# Allegro board RK_TABLET_DEMO1_RK3576_LP4XD200P132SD6_V12_20240530YWQ.brd (continued)
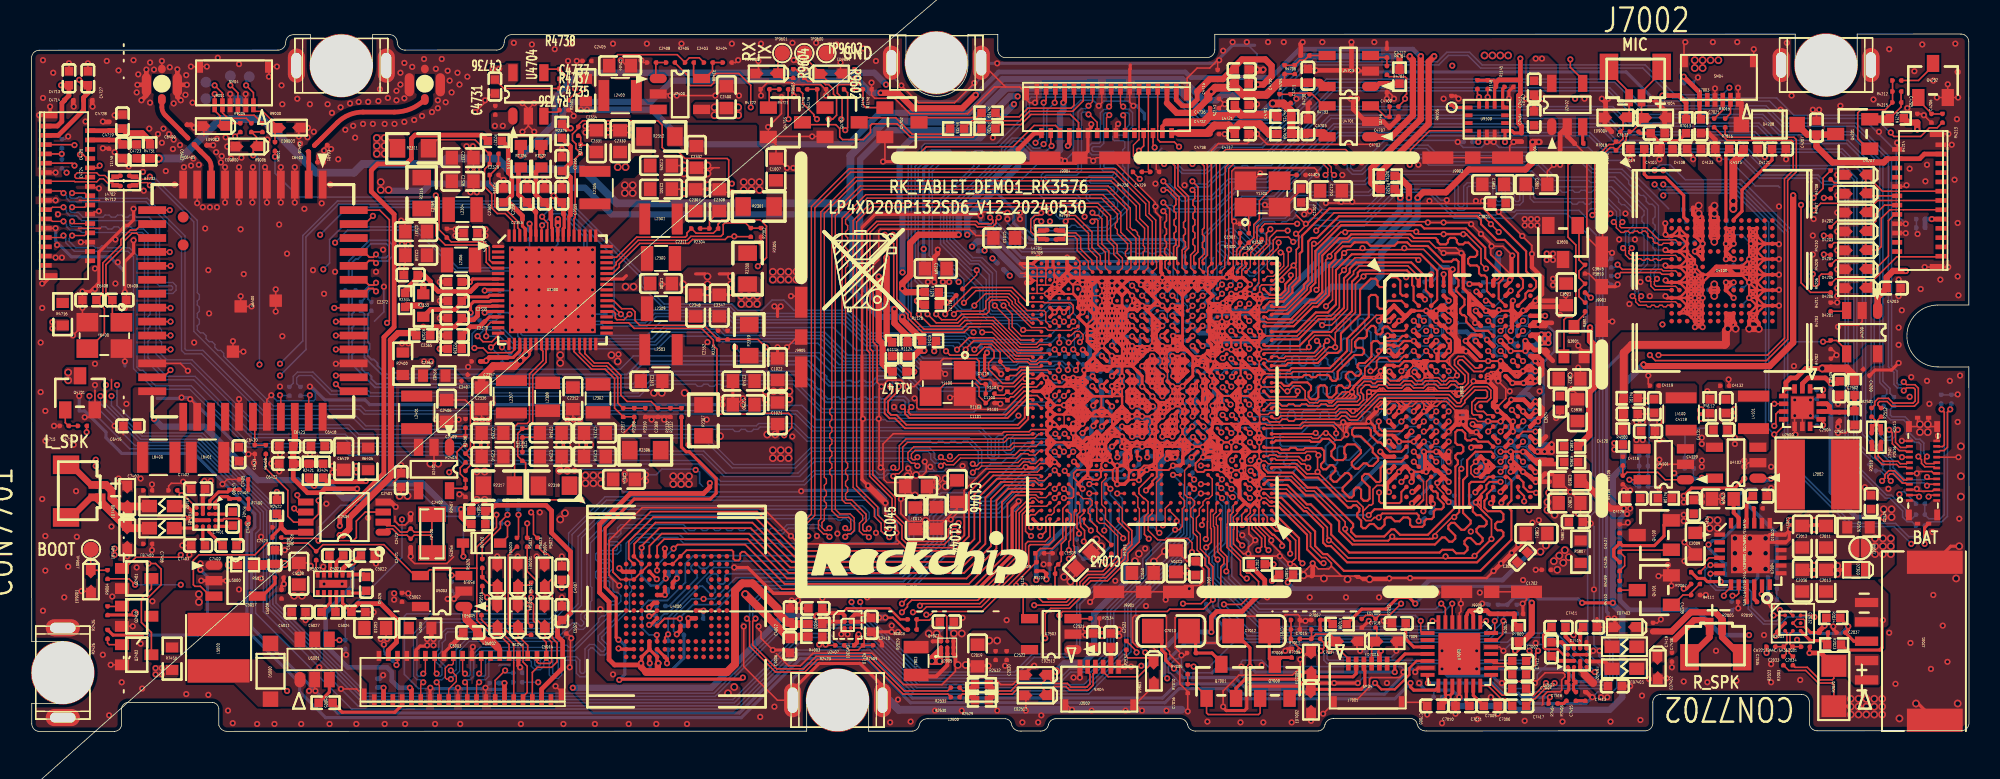
[diagram p0: board, top side]
## Nets
GND: ANT6401.2(G1) ANT6401.3(G2) ANT6401.4(G3) ANT6402.2(G1) ANT6402.3(G2) ANT6402.4(G3) C1000.2 C1001.2 C1002.2 C1003.2 C1004.2 C1005.2 C1007.2 C1009.2 C1010.2 C1011.2 C1013.2 C1015.2 C1016.2 C1017.2 C1018.2 C1021.2 C1022.2 C1023.2 C1024.2 C1026.2 C1027.2 C1028.2 C1030.2 C1032.2 C1033.2 C1034.2 C1035.2 C1037.2 C1038.2 C1039.2 C1040.2 C1041.2 C1042.2 C1043.2 C1044.2 C1045.2 C1046.2 C1100.2 C1101.2 C1102.2 C1103.2 C1104.2 C1105.2 C1106.2 C1107.2 C1108.2 C1109.2 C1110.2 C1111.2 C1116.2 C1117.2 C1118.2 C1119.2 C1120.2 C1200.2 C1201.2 C1202.2 C1203.2 C1204.2 C1206.2 C1207.2 C1208.2 C1209.2 C1210.2 C1214.2 C1215.2 C1216.2 C1217.2 C1300.2 C1301.2 C1302.2 C1304.2 C1305.2 C1307.2 C1308.2 C1309.2 C1310.2 C1311.2 C1400.2 C1402.2 C1404.2 C1405.2 C1406.2 C1408.2 C1503.2 C1504.2 C1506.2 C1507.2 C1509.2 C1510.2 C1700.2 C1701.2 C1800.2 C1801.2 C1802.2 C1901.2 C1903.2 C2008.2 C2009.2 C2011.2 C2012.2 C2013.2 C2015.2 C2017.2 C2019.2 C2020.2 C2036.1 C2037.1 C2040.2 C2300.2 C2301.2 C2307.2 C2308.2 C2309.2 C2312.2 C2313.2 C2315.2 C2316.2 C2324.2 C2325.2 C2327.2 C2328.2 C2330.2 C2331.2 C2332.2 C2335.2 C2336.2 C2337.2 C2338.2 C2339.2 C2340.2 C2344.2 C2345.2 C2346.2 C2347.2 C2348.2 C2349.2 C2350.2 C2353.2 C2354.2 C2355.2 C2356.2 C2357.2 C2358.2 C2359.2 C2360.2 C2362.2 C2363.2 C2364.2 C2365.2 C2366.2 C2367.2 C2368.2 C2369.2 C2370.2 C2371.2 C2372.2 C2400.2 C2401.2 C2404.2 C2405.2 C2406.2 C2407.2 C2408.2 C2409.2 C2410.2 C2412.2 C2413.2 C2414.2 C2421.1 C2422.1 C2423.2 C2502.2 C2503.2 C2504.2 C2505.2 C2506.2 C2507.2 C2521.2 C2522.2 C2523.2 C2524.2 C3800.2 C3801.2 C3802.2 C3803.2 C3804.2 C3805.2 C3806.2 C3807.2 C3808.2 C3809.2 C3810.2 C3811.2 C3812.2 C3813.2 C3814.2 C3815.2 C3816.2 C3817.2 C3818.2 C3819.2 C3820.2 C3821.2 C3822.2 C3823.2 C3824.2 C3825.2 C3826.2 C3827.2 C3828.2 C3829.2 C3830.2 C3831.2 C3832.2 C3833.2 C3834.2 C3835.2 C3836.2 C3837.2 C3838.2 C3839.2 C3840.2 C3841.2 C3842.2 C3843.2 C3844.2 C3845.2 C4000.2 C4001.2 C4002.2 C4003.2 C4004.2 C4005.2 C4006.2 C4007.2 C4100.2 C4101.2 C4102.2 C4103.2 C4105.2 C4106.2 C4107.2 C4108.2 C4109.2 C4110.2 C4112.2 C4113.2 C4114.2 C4115.2 C4116.2 C4118.2 C4119.2 C4120.2 C4121.2 C4122.2 C4123.2 C4124.2 C4126.2 C4127.2 C4128.2 C4129.2 C4131.2 C4132.2 C4200.2 C4201.2 C4203.2 C4204.2 C4206.2 C4207.2 C4702.2 C4703.2 C4707.2 C4709.2 C4711.2 C4712.2 C4713.2 C4714.2 C4715.2 C4716.2 C4717.2 C4718.2 C4719.2 C4720.2 C4721.2 C4722.2 C4723.2 C4724.2 C4725.2 C4726.2 C4727.2 C4728.2 C4729.2 C4730.2 C4731.2 C4735.2 C4736.2 C5002.2 C5003.2 C5008.2 C5009.2 C5010.2 C5011.2 C5014.2 C5015.2 C5017.2 C5018.2 C5019.2 C5020.2 C5021.2 C5022.2 C5024.2 C6400.1 C6401.2 C6405.1 C6408.2 C6409.2 C6410.2 C6415.2 C6418.2 C6419.2 C6420.2 C6421.2 C6422.2 C6423.2 C7000.2 C7001.2 C7003.2 C7007.2 C7008.2 C7009.2 C7010.2 C7011.2 C7015.2 C7016.2 C7017.2 C7018.2 C7019.2 C7021.2 C7022.2 C7402.2 C7403.2 C7404.1 C7407.2 C7408.2 C7413.2 C7414.2 C7415.1 C7418.2 C7419.2 C9103.2 C9104.2 C9105.2 D2300.2(ANODE) D4201.2 D4202.2 D4203.2 D4204.2 D4205.2 D4206.2 D4207.2 D4208.1(A) D9803.2 ED2512.2 ED2513.2 ED5000.2 ED5001.2 ED5002.2 ED5003.2 ED5004.2 ED5005.2 ED7000.2 ED7001.2 ED7002.2 ED7003.2 ED7004.2 ED7400.2 ED7401.2 ED7402.2 ED7403.2 ED9000.2 ED9001.2 ED9002.2 ED9003.2 ED9004.2 ED9600.2 ED9601.2 J2001.6 J2001.7 J2501.3 J2501.6 J2501.9 J2501.12 J2501.13 J2501.16 J2501.19 J2501.22 J2501.29 J2501.30 J2501.31 J2501.32 J2502.1 J2502.6 J2502.7 J2502.8 J4201.6(GND) J4201.8(GND1) J4201.16(GND2) J4201.24(GND3) J4201.25(GND4) J4201.26(GND5) J4201.27(GND6) J4701.11(GND) J4701.14(GND1) J4701.17(GND2) J4701.20(GND3) J4701.31(GND4) J4701.32(GND6) J4701.33(GND5) J4702.11(GND) J4702.14(GND1) J4702.17(GND2) J4702.20(GND3) J4702.23(GND4) J4702.26(GND5) J4702.32(GND7) J4702.33(GND6) J5000.10(GND) J5000.13(GND1) J5000.16(GND2) J5000.19(GND3) J5000.22(GND4) J5000.25(GND5) J5000.32(GND6) J5000.40(GND7) J5000.41(GND8) J7001.7 J7001.8 J7003.1 J7003.4 J7003.7 J7003.8 J9001.2 J9001.4 J9001.7 J9001.8 J9900.1 J9900.2 J9900.3 J9901.1 J9901.2 J9901.3 J9902.1 J9902.2 J9902.3 J9903.1 J9903.2 J9903.3 J9904.1 J9904.2 J9904.3 J9905.1 J9905.2 J9905.3 J9911.2 J9911.3 J9912.2 J9912.3 J9913.2 J9913.3 J9914.2 J9914.3 J9915.2 J9915.3 Q2400.2(SOURCE) Q2401.2(SOURCE) Q2402.2(SOURCE) Q3801.2(SOURCE) Q4101.2(EMITTER) Q4202.2(EMITTER) Q4701.2(EMITTER) Q4702.2(EMITTER) Q4703.2(EMITTER) Q4704.2(EMITTER) R1103.2 R1203.2 R1301.2 R1400.2 R1401.2 R1402.2 R2004.1 R2005.1 R2006.2 R2010.2 R2011.2 R2020.1 R2022.1 R2305.2 R2310.2 R2315.2 R2332.2 R2407.2 R2408.2 R2410.2 R2414.2 R2503.2 R2504.2 R2517.2 R2534.2 R4005.2 R4106.2 R4107.2 R4114.2 R4116.2 R4202.2 R4203.2 R4214.2 R4706.2 R4715.2 R4718.2 R4722.2 R4725.2 R4733.2 R4738.2 R5001.2 R5004.2 R5006.2 R5015.2 R7004.2 R7005.2 R7006.2 R7011.2 R7018.2 R7402.2 R9105.2 R9601.2 R9604.2 TP9003.1 TP9602.1 U1000.1A2(VSS_7) U1000.1A3(VSS_8) U1000.1AA2(VSS_91) U1000.1AA4(VSS_92) U1000.1AA21(VSS_93) U1000.1AA24(VSS_94) U1000.1AB2(VSS_95) U1000.1AB5(VSS_96) U1000.1AB6(VSS_97) U1000.1AB20(AVSS_10) U1000.1AB21(AVSS_11) U1000.1AB22(AVSS_12) U1000.1AB23(AVSS_13) U1000.1AB24(AVSS_14) U1000.1AC1(VSS_98) U1000.1AC2(VSS_99) U1000.1AC3(VSS_100) U1000.1AC4(VSS_101) U1000.1AC5(VSS_102) U1000.1AC20(AVSS_15) U1000.1AC21(AVSS_16) U1000.1AC24(AVSS_17) U1000.1AD3(VSS_103) U1000.1AD20(AVSS_18) U1000.1AD23(AVSS_19) U1000.1AD24(AVSS_20) U1000.1AE3(VSS_104) U1000.1AE4(AVSS_21) U1000.1AE6(AVSS_22) U1000.1AE20(AVSS_23) U1000.1AE21(AVSS_24) U1000.1AE23(AVSS_25) U1000.1B2(VSS_9) U1000.1C2(VSS_10) U1000.1C4(VSS_11) U1000.1C9(VSS_12) U1000.1C13(VSS_13) U1000.1C16(VSS_14) U1000.1C21(VSS_15) U1000.1D1(VSS_16) U1000.1D3(VSS_17) U1000.1D5(VSS_18) U1000.1E2(VSS_19) U1000.1E3(VSS_20) U1000.1E5(VSS_21) U1000.1E6(VSS_22) U1000.1E10(VSS_23) U1000.1E13(VSS_24) U1000.1E16(VSS_25) U1000.1E23(VSS_26) U1000.1E24(VSS_27) U1000.1F3(VSS_28) U1000.1F5(VSS_29) U1000.1F6(VSS_30) U1000.1F20(VSS_31) U1000.1F21(VSS_32) U1000.1F24(VSS_33) U1000.1G3(VSS_34) U1000.1G6(VSS_35) U1000.1G20(VSS_36) U1000.1G21(VSS_37) U1000.1G22(VSS_38) U1000.1G24(VSS_39) U1000.1H1(VSS_40) U1000.1H2(VSS_41) U1000.1H3(VSS_42) U1000.1H4(VSS_43) U1000.1H6(VSS_44) U1000.1H20(VSS_45) U1000.1H21(AVSS1_3) U1000.1H24(AVSS1_4) U1000.1J2(VSS_46) U1000.1J4(VSS_47) U1000.1J21(AVSS1_5) U1000.1J22(AVSS1_6) U1000.1J23(AVSS1_7) U1000.1J24(AVSS1_8) U1000.1K3(VSS_48) U1000.1K6(VSS_49) U1000.1K20(AVSS1_9) U1000.1K21(AVSS1_10) U1000.1K24(AVSS1_11) U1000.1L2(VSS_50) U1000.1L3(VSS_51) U1000.1L4(VSS_52) U1000.1L5(VSS_53) U1000.1L6(VSS_54) U1000.1L20(AVSS1_12) U1000.1L21(AVSS1_13) U1000.1L22(AVSS1_14) U1000.1L24(AVSS1_15) U1000.1M1(VSS_55) U1000.1M2(VSS_56) U1000.1M4(VSS_57) U1000.1M6(VSS_58) U1000.1M20(AVSS1_16) U1000.1M21(AVSS1_17) U1000.1M22(AVSS1_18) U1000.1M24(AVSS1_19) U1000.1N2(VSS_59) U1000.1N4(VSS_60) U1000.1N6(VSS_61) U1000.1N20(AVSS1_20) U1000.1N21(AVSS1_21) U1000.1N24(AVSS1_22) U1000.1P2(VSS_62) U1000.1P3(VSS_63) U1000.1P4(VSS_64) U1000.1P6(VSS_65) U1000.1P20(VSS_66) U1000.1P21(VSS_67) U1000.1P22(VSS_68) U1000.1P24(VSS_69) U1000.1R1(VSS_70) U1000.1R2(VSS_71) U1000.1T3(VSS_72) U1000.1T5(VSS_73) U1000.1T6(VSS_74) U1000.1T20(VSS_75) U1000.1U2(VSS_76) U1000.1U3(VSS_77) U1000.1U4(VSS_78) U1000.1U6(VSS_79) U1000.1V2(VSS_80) U1000.1V6(VSS_81) U1000.1W1(VSS_82) U1000.1W3(VSS_83) U1000.1W5(VSS_84) U1000.1W6(VSS_85) U1000.1W20(MIPI_DPHY_CSI1/2_RX_AVDD1V8) U1000.1Y2(VSS_86) U1000.1Y3(VSS_87) U1000.1Y4(VSS_88) U1000.1Y5(VSS_89) U1000.1Y6(VSS_90) U1000.1Y20(AVSS_9) U1000.2A1(VSS_105) U1000.2A3(VSS_106) U1000.2A6(VSS_107) U1000.2A9(VSS_108) U1000.2A11(VSS_109) U1000.2A12(VSS_110) U1000.2B1(VSS_111) U1000.2B3(VSS_112) U1000.2B4(VSS_113) U1000.2B5(VSS_114) U1000.2B6(VSS_115) U1000.2B7(VSS_116) U1000.2B8(VSS_117) U1000.2B9(VSS_118) U1000.2B11(VSS_119) U1000.2B12(VSS_120) U1000.2C1(VSS_121) U1000.2C6(VSS_122) U1000.2C10(VSS_123) U1000.2C11(VSS_124) U1000.2C12(VSS_125) U1000.2D3(VSS_126) U1000.2D6(VSS_127) U1000.2D9(VSS_128) U1000.2D10(AVSS1_23) U1000.2E3(VSS_129) U1000.2E5(VSS_130) U1000.2E6(VSS_131) U1000.2E8(VSS_132) U1000.2E9(VSS_133) U1000.2E10(AVSS1_24) U1000.2E11(PCIE1_SATA1_USB3_OTG1_AVDD0V85) U1000.2E12(PCIE1_SATA1_USB3_OTG1_AVDD1V8) U1000.2F4(VSS_134) U1000.2F5(VSS_135) U1000.2F6(VSS_136) U1000.2G4(VSS_137) U1000.2G7(VSS_138) U1000.2G10(VSS_139) U1000.2G12(PLL_AVSS) U1000.2H3(VSS_140) U1000.2H5(VSS_141) U1000.2H10(TVSS) U1000.2J1(VSS_142) U1000.2J5(VSS_143) U1000.2J8(VSS_144) U1000.2J11(VSS_145) U1000.2J12(VSS_146) U1000.2K1(VSS_147) U1000.2K2(VSS_148) U1000.2K5(VSS_149) U1000.2K8(VSS_150) U1000.2K9(VSS_151) U1000.2K10(VSS_152) U1000.2K12(VSS_153) U1000.2L1(VSS_154) U1000.2L3(VSS_155) U1000.2L4(VSS_156) U1000.2L5(VSS_157) U1000.2L6(VSS_158) U1000.2L7(VSS_159) U1000.2L8(VSS_160) U1000.2L9(VSS_161) U1000.2L11(MIPI_DPHY_CSI1/2_RX_AVDD0V75) U1000.2L12(VSS_162) U1000.2M1(AVSS_26) U1000.2M4(AVSS_27) U1000.2M6(AVSS_28) U1000.2M9(AVSS_29) U1000.2M10(AVSS_30) U1000.2M11(AVSS_31) U1000.2M12(AVSS_32) U1000.2N1(AVSS_33) U1000.2N6(AVSS_34) U1000.2N8(AVSS_35) U1000.2N9(AVSS_36) U1000.2N10(HDMI_TX_EDP_TX_AVDDIO1V8) U1000.2N11(HDMI_TX_EDP_TX_AVDDD0V75) U1000.2N12(AVSS_37) U1000.2P1(AVSS_38) U1000.2P6(AVSS_39) U1000.2P9(AVSS_40) U1000.2P10(HDMI_TX_EDP_TX_AVDDCMN1V8) U1000.2P11(HDMI_TX_EDP_TX_AVDDC0V75) U1000.2P12(AVSS_41) U1000.2R1(AVSS_42) U1000.2R4(AVSS_43) U1000.2R5(AVSS_44) U1000.2R7(AVSS_45) U1000.2R8(AVSS_46) U1000.2R9(AVSS_47) U1000.2R10(AVSS_48) U1000.2R11(AVSS_49) U1000.2R12(AVSS_50) U1000.2T1(AVSS_51) U1000.2T6(AVSS_52) U1000.2T8(AVSS_53) U1000.2T11(AVSS_54) U1000.2U1(AVSS_55) U1000.2U2(AVSS_56) U1000.2U3(AVSS_57) U1000.2U4(AVSS_58) U1000.2U5(AVSS_59) U1000.2U6(AVSS_60) U1000.2U7(AVSS_61) U1000.2U9(AVSS_62) U1000.2U10(AVSS_63) U1000.2U11(AVSS_64) U1000.2V1(AVSS_65) U1000.2V2(AVSS_66) U1000.2V3(AVSS_67) U1000.2V4(AVSS_68) U1000.2V5(AVSS_69) U1000.2V6(AVSS_70) U1000.2V7(AVSS_71) U1000.2V8(AVSS_72) U1000.2V9(AVSS_73) U1000.2V10(AVSS_74) U1000.2V11(AVSS_75) U1000.2V12(AVSS_76) U1000.A1(VSS_0) U1000.A4(VSS_1) U1000.A29(VSS_2) U1000.AJ29(AVSS_0) U1000.AK6(AVSS_1) U1000.AK14(AVSS_2) U1000.AK25(AVSS_3) U1000.AL1(VSS_6) U1000.AL4(AVSS_4) U1000.AL8(AVSS_5) U1000.AL14(AVSS_6) U1000.AL25(AVSS_7) U1000.AL29(AVSS_8) U1000.B5(VSS_3) U1000.C1(VSS_4) U1000.G29(AVSS1_0) U1000.T28(AVSS1_1) U1000.T29(AVSS1_2) U1000.V28(VSS_5) U2004.17(PGND1) U2004.18(PGND2) U2004.25(PAD) U2005.C1(PGND) U2005.C2(PGND1) U2005.C3(AGND) U2300.69(EPAD) U2400.2(GND) U2401.2(GND) U2402.2(GND) U2404.4(VSS) U2407.B1(GND) U2500.8(GND_8) U2500.9(GND_9) U2500.15(EPAD) U2503.2(GND) U3800.A3(VSS_1) U3800.A10(VSS_2) U3800.AB3(VSS_55) U3800.AB5(VSS_56) U3800.AB8(VSS_57) U3800.AB10(VSS_58) U3800.C1(VSS_3) U3800.C5(VSS_4) U3800.C8(VSS_5) U3800.C12(VSS_6) U3800.D2(VSS_7) U3800.D4(VSS_8) U3800.D9(VSS_9) U3800.D11(VSS_10) U3800.E1(VSS_11) U3800.E5(VSS_12) U3800.E8(VSS_13) U3800.E12(VSS_14) U3800.G1(VSS_15) U3800.G3(VSS_16) U3800.G5(VSS_17) U3800.G8(VSS_18) U3800.G10(VSS_19) U3800.G12(VSS_20) U3800.J1(VSS_21) U3800.J3(VSS_22) U3800.J10(VSS_23) U3800.J12(VSS_24) U3800.K2(VSS_25) U3800.K4(VSS_26) U3800.K9(VSS_27) U3800.K11(VSS_28) U3800.N2(VSS_29) U3800.N4(VSS_30) U3800.N9(VSS_31) U3800.N11(VSS_32) U3800.P1(VSS_33) U3800.P3(VSS_34) U3800.P10(VSS_35) U3800.P12(VSS_36) U3800.T1(VSS_37) U3800.T3(VSS_38) U3800.T5(VSS_39) U3800.T8(VSS_40) U3800.T10(VSS_41) U3800.T12(VSS_42) U3800.V1(VSS_43) U3800.V5(VSS_44) U3800.V8(VSS_45) U3800.V12(VSS_46) U3800.W2(VSS_47) U3800.W4(VSS_48) U3800.W9(VSS_49) U3800.W11(VSS_50) U3800.Y1(VSS_51) U3800.Y5(VSS_52) U3800.Y8(VSS_53) U3800.Y12(VSS_54) U4000.A6(VSS2) U4000.C4(VSS3) U4000.E7(VSS4) U4000.G5(VSS5) U4000.H10(VSS6) U4000.J5(VSS1) U4000.K8(VSSQ1) U4000.N2(VSSQ2) U4000.N5(VSSQ3) U4000.P4(VSSQ4) U4000.P6(VSSQ5) U4100.B2(VSS_1) U4100.B11(VSS_2) U4100.B12(VSS_3) U4100.C1(VSS_4) U4100.C2(VSS_5) U4100.C3(VSS_6) U4100.C11(VSS_7) U4100.C12(VSS_8) U4100.D3(VSS_9) U4100.D12(VSS_10) U4100.D13(VSS_11) U4100.D14(VSS_12) U4100.E1(VSS_13) U4100.E2(VSS_14) U4100.E3(VSS_15) U4100.E12(VSS_16) U4100.F3(VSS_17) U4100.F12(VSS_18) U4100.F13(VSS_19) U4100.F14(VSS_20) U4100.G1(VSS_21) U4100.G2(VSS_22) U4100.G3(VSS_23) U4100.G10(VSS_24) U4100.G12(VSS_25) U4100.H3(VSS_26) U4100.H5(VSS_27) U4100.H10(VSS_28) U4100.H12(VSS_29) U4100.H13(VSS_30) U4100.H14(VSS_31) U4100.J1(VSS_32) U4100.J2(VSS_33) U4100.J3(VSS_34) U4100.J5(VSS_35) U4100.J12(VSS_36) U4100.K3(VSS_37) U4100.K5(VSS_38) U4100.K12(VSS_39) U4100.K13(VSS_40) U4100.K14(VSS_41) U4100.L1(VSS_42) U4100.L2(VSS_43) U4100.L3(VSS_44) U4100.L12(VSS_45) U4100.M3(VSS_46) U4100.M4(VSS_47) U4100.M5(VSS_48) U4100.M12(VSS_49) U4100.M13(VSS_50) U4100.M14(VSS_51) U4100.N2(VSS_52) U4100.N3(VSS_53) U4100.N4(VSS_54) U4100.N5(VSS_55) U4100.N11(VSS_56) U4100.N12(VSS_57) U4100.P4(VSS_58) U4100.P5(VSS_59) U4100.P11(VSS_60) U4100.P12(VSS_61) U4101.2(GND) U4102.2(GND) U4200.2(GND) U4701.2(GND) U4703.2(GND) U4704.2(GND) U5000.2(GND) U5001.2(GND) U5002.5(GND1) U5002.13(GND2) U5003.2(GND) U6400.1(GND_1) U6400.3(GND_3) U6400.4(GND_4) U6400.5(GND_5) U6400.6(GND_6) U6400.7(GND_7) U6400.8(GND_8) U6400.10(GND_10) U6400.11(GND_11) U6400.23(GND_23) U6400.27(GND_27) U6400.30(GND_30) U6400.32(GND_32) U6400.39(GND_39) U6400.53(GND_53) U6400.54(GND_54) U6400.55(GND_55) U7000.4(DGND) U7000.13(HPGND) U7000.18(AGND) U7000.26(CE) U7000.29(EPAD) U7400.C2(GND_1) U7400.C4(GND_2) U7402.C2(GND_1) U7402.C4(GND_2) U9100.6(GND0) U9100.7(RESV) Y1100.2(GND#2) Y1100.4(GND#4) Y1300.2(GND#2) Y1300.4(GND#4) Y6400.2(GND#2) Y6400.4(GND#4)
VBAT_N: C2032.2 C2034.2 C2035.1 J2001.1 J2001.2 R2003.1 R2020.2 R2024.1 U2003.B2(VSS)
VBAT_P: C2013.1 C2036.2 C4206.1 J2001.4 J2001.5 R2023.1 R4216.1 U2004.13(BAT1) U2004.14(BAT2)
VBUS_TYPEC: C2009.1 C2502.1 C2524.1 J2501.1 J2501.24 J2501.25 J2501.26 J2501.27 J2501.28 R2330.1 U2004.1(VBUS) U2500.2(VBUS)
VCC1V2_UFS_VCCQ_S0: C4100.1 C4101.1 C4102.1 C4103.1 R4112.2 U4100.A4(VCCQ_1) U4100.A5(VCCQ_2) U4100.B4(VCCQ_3) U4100.B5(VCCQ_4) U4100.C4(VCCQ_5) U4100.C5(VCCQ_6) U4100.E5(VCCQ_7) U4100.F5(VCCQ_8)
VCC1V8_EMMC_S0: C1308.1 C4000.1 C4001.1 C4002.1 R4000.1 R4001.1 R4002.1 R4006.1 U1000.1J20(VCCIO0_VCC1V8) U4000.C6(VCCQ1) U4000.M4(VCCQ2) U4000.N4(VCCQ3) U4000.P3(VCCQ4) U4000.P5(VCCQ5)
VCC1V8_LCD: C5018.1 C5019.1 C5020.1 J5000.3(LCD_VDD1V8) J5000.29(VCCIO_1V8) R5013.2 U5000.5(FB/OUT)
VCC1V8_UFS_VCCQ2_S0: C4105.1 C4106.1 C4107.1 C4108.1 R4108.2 U4100.A6(VCCQ2_1) U4100.A7(VCCQ2_2) U4100.B6(VCCQ2_3) U4100.B7(VCCQ2_4) U4100.C6(VCCQ2_5) U4100.C7(VCCQ2_6) U4100.K6(VCCQ2_7) U4100.K7(VCCQ2_8)
VCC1V8_UFS_VCCQ2_S0_P: C4126.1 C4127.1 Q4100.3(DRAIN) R4108.1
VCC3V3_EMMC_S0: C4004.1 C4005.1 C4006.1 R4003.1 U4000.E6(VCC1) U4000.F5(VCC2) U4000.J10(VCC3) U4000.K9(VCC4)
VCC3V3_LCD: C5003.1 J5000.28(VDD_3V3) U5003.1(VOUT)
VCC3V3_PCIEWL_VBAT: C6418.1 C6419.1 R6405.2 U6400.36(VBAT)
VCC3V3_SD_S0: C4201.1 C4203.1 C4204.1 J4201.9(VCC_SD) U4200.1(VOUT)
VCC5V0_USB3_HOST1: C2521.1 C2523.1 J2502.5 U2503.1(VOUT)
VCC_1V1_NLDO_S3: C2364.1 C2371.1 R2400.2 R2402.2 U2300.9(VCC14) U2300.13(VCC13)
VCC_1V1_NLDO_S3_P: C2402.1 C2406.1 C2407.1 L2401.2 R2402.1 R2403.1
VCC_1V2_CAM: C4710.1 C4711.1 C4725.1 C4726.1 C4727.1 C4728.1 J4701.3(DVDD_1.2V) J4702.3(DVDD_1.2V) R4705.1 U4703.5(OUT)
VCC_1V8_CAM: C4713.1 C4714.1 C4715.1 C4716.1 C4736.1 C4737.1 J4701.1(DOVDD_1.8V) J4702.1(DOVDD_1.8V) R4737.1 U4704.5(OUT)
VCC_1V8_S3: C2410.1 C3820.1 C4124.1 C4125.1 C9104.1 C9105.1 J4701.25(VDD_HALL) Q4100.2(SOURCE) R1125.2 R1138.1 R1139.1 R1141.2 R1145.1 R1146.1 R2029.1 R2316.1 R2421.1 R3806.2 R4109.1 R5025.1 U2407.A2(IN) U9100.5(AVDDIO) U9100.8(VDD) U9100.12(CS)
VCC_1V8_S3_P: C2337.1 C2338.1 L2306.1 R2316.2 U2300.5(VOUT8)
VCC_2V0_PLDO_P: C2403.1 C2404.1 C2405.1 L2400.2 R2401.1 R2404.1
VCC_2V0_PLDO_S3: C2354.1 R2400.1 R2401.2 R4703.1 U2300.59(VCC11)
VCC_2V8_AF: C4721.1 C4722.1 J4701.4(AFVDD) R4713.2
VCC_2V8_AF3: C4723.1 C4724.1 J4702.4(AFVDD) R4732.2
VCC_2V8_CAM: C4717.1 C4718.1 J4701.2(AVDD_2.8V) R4709.2
VCC_2V8_CAM3: C4719.1 C4720.1 J4702.2(AVDD_2.8V) R4731.2
VCC_2V8_CAM_P: C4701.1 C4703.1 R4709.1 R4713.1 R4730.1 R4731.1 R4732.1 U4701.5(OUT)
VCC_3V3_S0: C1802.1 C2414.1 J4701.30(VDD_SENSOR) R1412.2 R1802.1 R1803.1 R2423.1 R2514.2 R4003.2 R4100.1 R4105.1 R4115.1 U1000.2N3(VCCIO6_VCC) U2402.1(VOUT)
VCC_3V3_S3: C2413.1 C2505.1 C4200.1 C4702.1 C4731.1 C5002.1 J4701.24(VCC_LED+) R2317.2 R2426.2 R2501.1 R4716.1 R5024.1 R6405.1 U2402.5(IN) U2500.3(VDD_3) U2500.4(VDD_4) U4200.5(IN) U4701.1(IN) U4704.1(IN) U5000.1(IN) U5003.5(IN)
VCC_3V3_S3_P: C2339.1 C2340.1 L2307.2 R2317.1 U2300.24(VOUT4)
VCC_5V0: C2019.1 C2020.1 C2522.1 U2005.A1(VOUT) U2005.A2(VOUT1) U2503.5(IN)
VCC_RTC: C2423.1 R2422.1 R2428.1 U2404.8(VDD)
VCC_SPK_AMP: C7402.1 C7413.1 R7450.2 U7400.A3(VDD_1) U7400.B3(VDD_2) U7402.A3(VDD_1) U7402.B3(VDD_2)
VCC_SPK_CP_L: C7403.1 U7400.D3(PVDD)
VCC_SPK_CP_R: C7414.1 U7402.D3(PVDD)
VCC_SYSIN: C2015.1 C2040.1 C2300.1 C2301.1 C2312.1 C2313.1 C2324.1 C2325.1 C2335.1 C2336.1 C2359.1 C2362.1 C2400.1 C2401.1 C4116.1 C4129.1 C5008.1 C5009.1 C5011.1 D2300.1(CATHODE) J2000.2 L5000.1 L7803.1 R2026.1 R2324.1 R2422.2 R2425.1 R3810.1 R7450.1 U2005.A3(VIN) U2300.1(VCC9) U2300.7(VCC8) U2300.21(VCCA) U2300.22(VCC4) U2300.27(VCC10) U2300.28(VCC6) U2300.33(VCC2_1) U2300.34(VCC2_2) U2300.43(VCC7) U2300.44(VCC5) U2300.52(VCC1_1) U2300.53(VCC1_2) U2300.54(VCC3) U2300.64(VCC12) U2400.4(VIN) U2401.4(VIN) U4101.4(VIN) U4102.4(VIN) U5001.6(IN) U5002.8(VCI)
VCC_SYSIN_P: C2011.1 C2012.1 J2000.1 L2002.2 R2026.2 U2004.15(SYS1) U2004.16(SYS2)
VCC_TP: C5014.1 C5021.1 J5000.37(VCC_TP) R5024.2 R5025.2
VCC_UFS1V2_S0_P: C4130.1 C4131.1 C4132.1 L4101.2 R4112.1 R4113.1
VCC_UFS_S0: C4112.1 C4113.1 C4114.1 C4115.1 C4120.1 R4100.2 R4101.2 U4100.B8(VCC_1) U4100.B9(VCC_2) U4100.C8(VCC_3) U4100.C9(VCC_4) U4100.E8(VCC_5) U4100.K8(VCC_6) U4100.N8(VCC_7) U4100.N9(VCC_8) U4100.P8(VCC_9) U4100.P9(VCC_10)
VCCA1V8_PLDO2_S0: C2355.1 R1147.2 U2300.58(PLDO2)
VCCA1V8_PLDO6_S3: C2357.1 R1124.1 R1126.2 R2424.1 R3812.2 U2300.20(VCCIO)
VCCA3V3_CODEC: C7000.1 C7001.1 R2326.2 R7008.2 R7013.1 U7000.16(HPVDD) U7000.17(AVDD)
VCCA_1V8_S0: C1105.1 C1307.1 C1402.1 C1509.1 C1510.1 C1701.1 C7021.1 C7022.1 J7003.6 R1119.1 R1202.1 R1323.2 R1409.2 R2322.2 R2409.1 U1000.2D12(MIPI_DPHY_CSI3/4_RX_AVDD1V8) U1000.2F12(PCIE0_SATA0_AVDD1V8) U1000.2H12(PLL_AVDD1V8) U1000.2M2(OSC_UFS_AVDD) U1000.2N4(USB3_OTG0_DP_TX_AVDD1V8) U1000.2P8(MIPI_DCPHY_AVDD1V8) U2402.4(EN)
VCCA_1V8_S0_P: C2353.1 R2322.1 U2300.60(PLDO1)
VCCA_3V3_S0_P: C2358.1 R2326.1 U2300.63(PLDO4)
VCCIO_1V8_S0: C1800.1 C1901.1 C1903.1 C2412.1 R1800.1 R1801.1 R1926.1 R1927.1 R1934.1 R1935.1 R2028.1 R4002.2 R5013.1 R7000.1 U1000.2A2(VCCIO2_VCC) U1000.2A4(VCCIO5_VCC_0) U1000.2A5(VCCIO5_VCC_1) U1000.2A7(VCCIO4_VCC) U2407.A1(VOUT)
VCCIO_CODEC: C7003.1 R7000.2 U7000.2(DVDD) U7000.3(PVDD)
VCCIO_SD_S0: C1309.1 R1360.1 R1361.1 R2327.2 U1000.2A8(VCCIO1_VCC)
VCCIO_SD_S0_P: C2360.1 R2327.1 U2300.65(PLDO5)
VCCIO_WL: C1801.1 C6422.1 C6423.1 R2421.2 R2424.2 U1000.2B10(VCCIO3_VCC) U6400.34(VDDIO)
VDD1_1V8_DDR_S3: C3836.1 C3837.1 C3838.1 C3839.1 C3840.1 C3841.1 C3842.1 C3843.1 C3844.1 R3806.1 R3812.1 U3800.F1(VDD1_1) U3800.F12(VDD1_2) U3800.G4(VDD1_3) U3800.G9(VDD1_4) U3800.T4(VDD1_5) U3800.T9(VDD1_6) U3800.U1(VDD1_7) U3800.U12(VDD1_8)
VDD2_DDR_S3: C3821.1 C3822.1 C3823.1 C3824.1 C3825.1 C3826.1 C3827.1 C3828.1 C3829.1 C3830.1 C3831.1 C3832.1 C3833.1 C3834.1 C3835.1 Q3800.3(DRAIN) R2311.1 R3809.2 U3800.A4(VDD2_1) U3800.A9(VDD2_2) U3800.AB4(VDD2_23) U3800.AB9(VDD2_24) U3800.F5(VDD2_3) U3800.F8(VDD2_4) U3800.G2(ODT_CA_A) U3800.H1(VDD2_5) U3800.H5(VDD2_6) U3800.H8(VDD2_7) U3800.H12(VDD2_8) U3800.K1(VDD2_9) U3800.K3(VDD2_10) U3800.K10(VDD2_11) U3800.K12(VDD2_12) U3800.N1(VDD2_13) U3800.N3(VDD2_14) U3800.N10(VDD2_15) U3800.N12(VDD2_16) U3800.R1(VDD2_17) U3800.R5(VDD2_18) U3800.R8(VDD2_19) U3800.R12(VDD2_20) U3800.T2(ODT_CA_B) U3800.U5(VDD2_21) U3800.U8(VDD2_22)
VDD2_DDR_S3_P: C2327.1 C2328.1 C2329.1 L2304.1 R2311.2 R2313.1 U2300.67(VOUT9)
VDD6V0_LCD: C5022.1 J5000.9(AVDD) U5002.2(VSP)
VDD_0V75_S3: C1107.1 C1118.1 R2328.2 U1000.2L2(PMU_LOGIC_DVDD0V75_0) U1000.2L10(PMU_LOGIC_DVDD0V75_1)
VDD_0V75_S3_P: C2363.1 R2328.1 U2300.14(NLDO1)
VDD_CPU_BIG_S0: C1000.1 C1001.1 C1002.1 C1003.1 C1004.1 C1005.1 C1007.1 C1038.1 C2309.1 C2311.2 R2301.2 R2304.2 U1000.2G5(CPU_BIG_DVDD_0) U1000.2G6(CPU_BIG_DVDD_1) U1000.2H6(CPU_BIG_DVDD_2) U1000.2H7(CPU_BIG_DVDD_3) U1000.2J6(CPU_BIG_DVDD_4) U1000.2J7(CPU_BIG_DVDD_5) U1000.2K6(CPU_BIG_DVDD_6) U1000.2K7(CPU_BIG_DVDD_7) U2300.49(VOUT1)
VDD_CPU_BIG_S0_P: C2307.1 C2308.1 C2311.1 L2301.2 R2301.1 R2304.1
VDD_CPU_LIT_S0: C1009.1 C1010.1 C1011.1 C1013.1 C1039.1 C2332.1 C2334.2 R2312.2 R2314.2 U1000.2H4(CPU_LIT_DVDD_0) U1000.2J3(CPU_LIT_DVDD_1) U1000.2J4(CPU_LIT_DVDD_2) U1000.2K3(CPU_LIT_DVDD_3) U1000.2K4(CPU_LIT_DVDD_4) U2300.56(VOUT3)
VDD_CPU_LIT_S0_P: C2330.1 C2331.1 C2334.1 L2305.2 R2312.1 R2314.1
VDD_DDR_S0: C1206.1 C1207.1 C1208.1 C1209.1 C1210.1 C1217.1 C2344.1 C2351.2 R2318.1 R2320.2 U1000.2E2(DDRPHY_DVDD_0) U1000.2F3(DDRPHY_DVDD_1) U1000.2G2(DDRPHY_DVDD_2) U1000.2G3(DDRPHY_DVDD_3) U1000.2H2(DDRPHY_DVDD_4) U2300.25(VOUT10)
VDD_DDR_S0_P: C2345.1 C2346.1 C2351.1 L2308.1 R2318.2 R2320.1
VDD_GPU_S0: C1026.1 C1027.1 C1028.1 C1030.1 C1041.1 C1043.1 R2300.1 R2302.1 U1000.2C4(GPU_DVDD_0) U1000.2C5(GPU_DVDD_1) U1000.2D4(GPU_DVDD_2) U1000.2D5(GPU_DVDD_3) U1000.2E4(GPU_DVDD_4) U2300.46(VOUT5)
VDD_GPU_S0_P: L2300.1 R2300.2
VDD_LOGIC_S0: C1015.1 C1016.1 C1017.1 C1018.1 C1021.1 C1022.1 C1023.1 C1024.1 C1040.1 C2349.1 C2350.1 C2352.2 R2319.2 R2321.2 U1000.2E7(LOGIC_DVDD_0) U1000.2F7(LOGIC_MEM_DVDD_0) U1000.2F8(LOGIC_DVDD_1) U1000.2F9(LOGIC_DVDD_2) U1000.2G8(LOGIC_DVDD_3) U1000.2G9(LOGIC_DVDD_4) U1000.2H8(LOGIC_DVDD_5) U1000.2H9(LOGIC_DVDD_6) U1000.2J9(LOGIC_MEM_DVDD_1) U2300.41(VOUT7)
VDD_LOGIC_S0_P: C2347.1 C2348.1 C2352.1 L2309.2 R2319.1 R2321.1
VDD_NPU_S0: C1032.1 C1033.1 C1034.1 C1035.1 C1037.1 C1042.1 C1044.1 C1045.1 C1046.1 R2307.2 U1000.2C7(NPU_DVDD_0) U1000.2C8(NPU_DVDD_1) U1000.2C9(NPU_DVDD_2) U1000.2D7(NPU_DVDD_3) U1000.2D8(NPU_DVDD_4) U2300.37(VOUT2)
VDD_NPU_S0_P: L2303.2 R2307.1
VDDA_0V75_S0: C1104.1 C1117.1 C1504.1 C1507.1 R1407.2 R2334.2 U1000.2D11(MIPI_DPHY_CSI3/4_RX_AVDD0V75) U1000.2G11(PLL_DVDD0V75) U1000.2H11(OTP_DVDD0V75) U1000.2M7(MIPI_DCPHY_AVDD)
VDDA_0V75_S0_P: C2372.1 R2334.1 U2300.8(NLDO5)
VDDA_0V85_S0: C1400.1 C1700.1 R1320.2 R2333.2 U1000.2F11(PCIE0_SATA0_AVDD0V85) U1000.2M5(USB3_OTG0_DP_TX_AVDD0V85) U1000.2N5(USB3_OTG0_DP_TX_DVDD0V85)
VDDA_0V85_S0_P: C2370.1 R2333.1 U2300.10(NLDO4)
VDDA_1V2_S0: C1300.1 C1506.1 R2325.2 R4111.1 U1000.2M3(VCCIO7_VCC) U1000.2M8(MIPI_DCPHY_AVDD1V2)
VDDA_1V2_S0_P: C2356.1 R2325.1 U2300.57(PLDO3)
VDDA_DDR_PLL_S0: C1213.1 R2329.2 U1000.2C3(DDRPHY_PLL_DVDD)
VDDA_DDR_PLL_S0_P: C2365.1 R2329.1 U2300.12(NLDO2)
VDDA_HDMI_S0_P: C2367.1 U2300.11(NLDO3)
VDDI: C4007.1 U4000.C2(VDDI)
VDDQ_DDR_CKE_S3: C1214.1 R3809.1 U1000.2B2(DDRPHY_CKE_VDDQ)
VDDQ_DDR_S0: C1200.1 C1201.1 C1202.1 C1203.1 C1204.1 C1215.1 C1216.1 R1200.1 R1201.2 R2306.1 R3807.2 U1000.2D1(DDRPHY_CK_VDDQ) U1000.2E1(DDRPHY_VDDQ_0) U1000.2F1(DDRPHY_VDDQ_1) U1000.2F2(DDRPHY_VDDQ_2) U1000.2G1(DDRPHY_VDDQ_3) U1000.2H1(DDRPHY_VDDQ_4) U1000.2J2(DDRPHY_VDDQ_5)
VDDQ_DDR_S0_P: C2315.1 C2316.1 C2317.1 L2302.1 R2306.2 R2308.1 U2300.30(VOUT6)
VDDQ_DRAM_S0: C3801.1 C3802.1 C3803.1 C3804.1 C3805.1 C3806.1 C3807.1 C3808.1 C3809.1 C3810.1 C3811.1 C3812.1 C3813.1 C3814.1 C3815.1 C3816.1 C3817.1 C3818.1 C3819.1 Q3800.2(SOURCE) R3802.1 R3804.1 R3807.1 U3800.AA3(VDDQ_17) U3800.AA5(VDDQ_18) U3800.AA8(VDDQ_19) U3800.AA10(VDDQ_20) U3800.B3(VDDQ_1) U3800.B5(VDDQ_2) U3800.B8(VDDQ_3) U3800.B10(VDDQ_4) U3800.D1(VDDQ_5) U3800.D5(VDDQ_6) U3800.D8(VDDQ_7) U3800.D12(VDDQ_8) U3800.F3(VDDQ_9) U3800.F10(VDDQ_10) U3800.U3(VDDQ_11) U3800.U10(VDDQ_12) U3800.W1(VDDQ_13) U3800.W5(VDDQ_14) U3800.W8(VDDQ_15) U3800.W12(VDDQ_16)
VEE6V0_LCD: C5024.1 J5000.4(VGL) U5002.11(VSN)
32KOUT_RTC: R2411.2 R6408.1 U1000.1U23(I2C6_SCL_M0 | CLK0_32K_OUT   | CLK_32K_IN    | --              | --           | GPIO0_A2_D) U2404.7(CLKOUT)
AD0: R9105.1 U9100.1(AD0)
ADCVREF_ES8388: C7010.1 U7000.19(ADCVREF)
AP627XP_PCIE_RXN: C6414.1 U6400.44(PCIE_RX_N)
AP627XP_PCIE_RXP: C6413.1 U6400.45(PCIE_RX_P)
AP627XP_PCIE_TXN: C6412.1 U6400.46(PCIE_TX_N)
AP627XP_PCIE_TXP: C6411.1 U6400.47(PCIE_TX_P)
AP627XP_REFCLKN: C6417.1 U6400.33(PCIE_RCLK_N)
AP627XP_REFCLKP: C6416.1 U6400.35(PCIE_RCLK_P)
AUD_LINEOUT_L: C7406.1 U7000.15(LOUT2)
AUD_LINEOUT_R: C7417.1 U7000.14(ROUT2)
AUD_SPK1N: C7408.1 CON7701.1 CON7701.3 ED7401.1 FB7400.2
AUD_SPK1P: C7407.1 CON7701.2 CON7701.4 ED7400.1 FB7401.2
AUD_SPK2N: C7419.1 CON7702.1 CON7702.3 ED7403.1 FB7402.2
AUD_SPK2P: C7418.1 CON7702.2 CON7702.4 ED7402.1 FB7403.2
BATT0_TS: C2037.2 J2001.3 R2024.2 U2003.B1(TS)
BT_REG_ON_H: U1000.1C22(--           | SATA_CPDET       | --           | I2C8_SDA_M1    | UART2_RX_M0    | --           | PDM0_SDI1_M2 | --            | FSPI1_D3_M1   | --              | ETH1_RXD0_M1        | GPIO1_C7_D) U6400.38(BT_REG_ON)
BT_WAKE_HOST_H: U1000.1P23(I2C0_SDA_M0 | --             | SPI2_MISO_M0  | --              | --           | GPIO0_B1_Z) U6400.50(BT_HOST_WAKE)
CHG_REF: C2017.1 R2007.1 R2025.1 U2004.22(REGN)
CHG_STAT: R2007.2 U2004.4(STAT)
CHRG_OK_H: U1000.1Y22(UART1_CTSN_M0 | PWM1_CH5_M0 | CPUBIG_AVS     | --              | I2C4_SCL_M0      | PDM0_SDI2_M0 | SAI0_SDO2_M1   | SAI0_SDI2_M1 | GPIO0_D2_D) U2004.7(INT)
CSN: C2033.2 C2035.2 R2022.2 U2003.C1(CSN)
CSP: C2033.1 C2034.1 R2003.2 U2003.C2(CSP)
DDR_PLL_AVDD1V8: C1212.1 R1202.2 U1000.2D2(DDRPHY_PLL_AVDD1V8)
DDR_PLL_AVSS: C1212.2 C1213.2 R1203.1 U1000.2C2(DDRPHY_PLL_AVSS)
DP_TX_AUXN: C2501.1 U1000.2T3(--               | DP_TX_AUXN)
DP_TX_AUXP: C2500.1 U1000.2T2(--               | DP_TX_AUXP)
EMMC_CLKOUT: C4003.1 R1367.2 U4000.M6(CLK)
EMMC_CMD: R4000.2 U1000.1F22(--          | --         | I2C7_SCL_M0   | UART6_TX_M2   | --           | --           | FSPI0_CSN1   | FSPI0_RSTN | EMMC_CMD  | GPIO1_B0_U) U4000.M5(CMD)
EMMC_D0: R4001.2 U1000.E28(--          | --         | I2C2_SCL_M1   | UART7_RTSN_M1 | --           | --           | SAI0_SCLK_M2 | FSPI0_D0   | EMMC_D0   | GPIO1_A0_U) U4000.A3(DATA0)
EMMC_D1: U1000.E29(--          | --         | I2C2_SDA_M1   | UART7_CTSN_M1 | --           | --           | SAI0_LRCK_M2 | FSPI0_D1   | EMMC_D1   | GPIO1_A1_U) U4000.A4(DATA1)
EMMC_D2: U1000.1C24(--          | --         | UART6_RTSN_M2 | UART7_TX_M1   | PDM0_SDI3_M1 | SAI0_SDI3_M2 | SAI0_SDO1_M2 | FSPI0_D2   | EMMC_D2   | GPIO1_A2_U) U4000.A5(DATA2)
EMMC_D3: U1000.F28(--          | --         | UART6_CTSN_M2 | UART7_RX_M1   | PDM0_SDI1_M1 | SAI0_SDI2_M2 | SAI0_SDO2_M2 | FSPI0_D3   | EMMC_D3   | GPIO1_A3_U) U4000.B2(DATA3)
EMMC_D4: U1000.1D24(--          | --         | --            | SPI0_CSN0_M2  | --           | SAI3_MCLK_M0 | SAI0_MCLK_M2 | --         | EMMC_D4   | GPIO1_A4_U) U4000.B3(DATA4)
EMMC_D5: U1000.G28(--          | --         | I2C9_SCL_M0   | SPI0_MOSI_M2  | PDM0_SDI2_M1 | SAI3_SCLK_M0 | --           | --         | EMMC_D5   | GPIO1_A5_U) U4000.B4(DATA5)
EMMC_D6: U1000.D28(--          | --         | I2C9_SDA_M0   | SPI0_MISO_M2  | PDM0_CLK1_M1 | SAI3_LRCK_M0 | --           | --         | EMMC_D6   | GPIO1_A6_U) U4000.B5(DATA6)
EMMC_D7: U1000.1B24(--          | --         | --            | SPI0_CLK_M2   | --           | SAI3_SDI_M0  | SAI0_SDO0_M2 | --         | EMMC_D7   | GPIO1_A7_U) U4000.B6(DATA7)
EMMC_DATA_STROBE: R4007.1 U1000.1F23(--          | --         | --            | SPI0_CSN1_M2  | PDM0_SDI0_M1 | SAI3_SDO_M0  | SAI0_SDI0_M2 | --         | EMMC_STRB | GPIO1_B2_D)
EMMC_RSTN: R4006.2 U1000.1D23(PWM2_CH1_M0 | MIPI_TE_M3 | I2C7_SDA_M0   | UART6_RX_M2   | --           | --           | --           | FSPI0_CSN0 | EMMC_RSTN | GPIO1_B3_U) U4000.K5(RST_N)
F_LED+: J4702.30(LED+) J4702.31(LED+1) R4716.2
F_LED-: J4702.28(LED-) J4702.29(LED-1) Q4701.3(COLLECTOR)
FLASH_LED_EN: R4714.1 U1000.1B15(PWM2_CH5_M2 | --              | I2C9_SCL_M2      | --            | UART6_CTSN_M1  | --           | --           | --                  | ETH1_MDIO_M0        | ISP_FLASH_TRIGOUT_M0 | GPIO2_D5_D)
GAUGE_ALRT: U1000.1W22(--            | PWM0_CH0_M0 | --             | UART10_TX_M2    | --               | PDM0_CLK0_M0 | --             | SAI0_MCLK_M1 | GPIO0_C4_D) U2003.A1(INT_N)
GSENSOR_INT_L: U1000.1Y23(--            | --          | SPI0_CLK_M0    | --              | I2C3_SDA_M1      | --           | --             | SAI0_LRCK_M1 | GPIO0_C7_D) U9100.4(INT1)
HALL_INT_L_1: J4701.26(HALL_INT) U1000.Y29(I2C6_SDA_M0 | --             | PWR_CTRL3     | --              | --           | GPIO0_A5_D)
HOST_USB_DET: R2537.1 U1000.1W21(--            | PWM0_CH1_M0 | SPI0_CSN1_M0   | --              | HDMI_TX_CEC_M1   | PDM0_CLK1_M0 | --             | --           | GPIO0_C3_D)
